# Altium PCB Bran_Main_Assay_PCB_v2_20170828.pcbdoc (part 3 of 5)
Units mm, origin at the board's own origin, x right, y up, seen from the top; angles counter-clockwise.
Board outline 91.65 x 48.25 mm, 6 copper layers (TOP, GND1, Singal, POWER, GND2, BOTTOM), stack 0.8 mm thick; 367 components, 288 nets, 1408 pads, 967 vias.
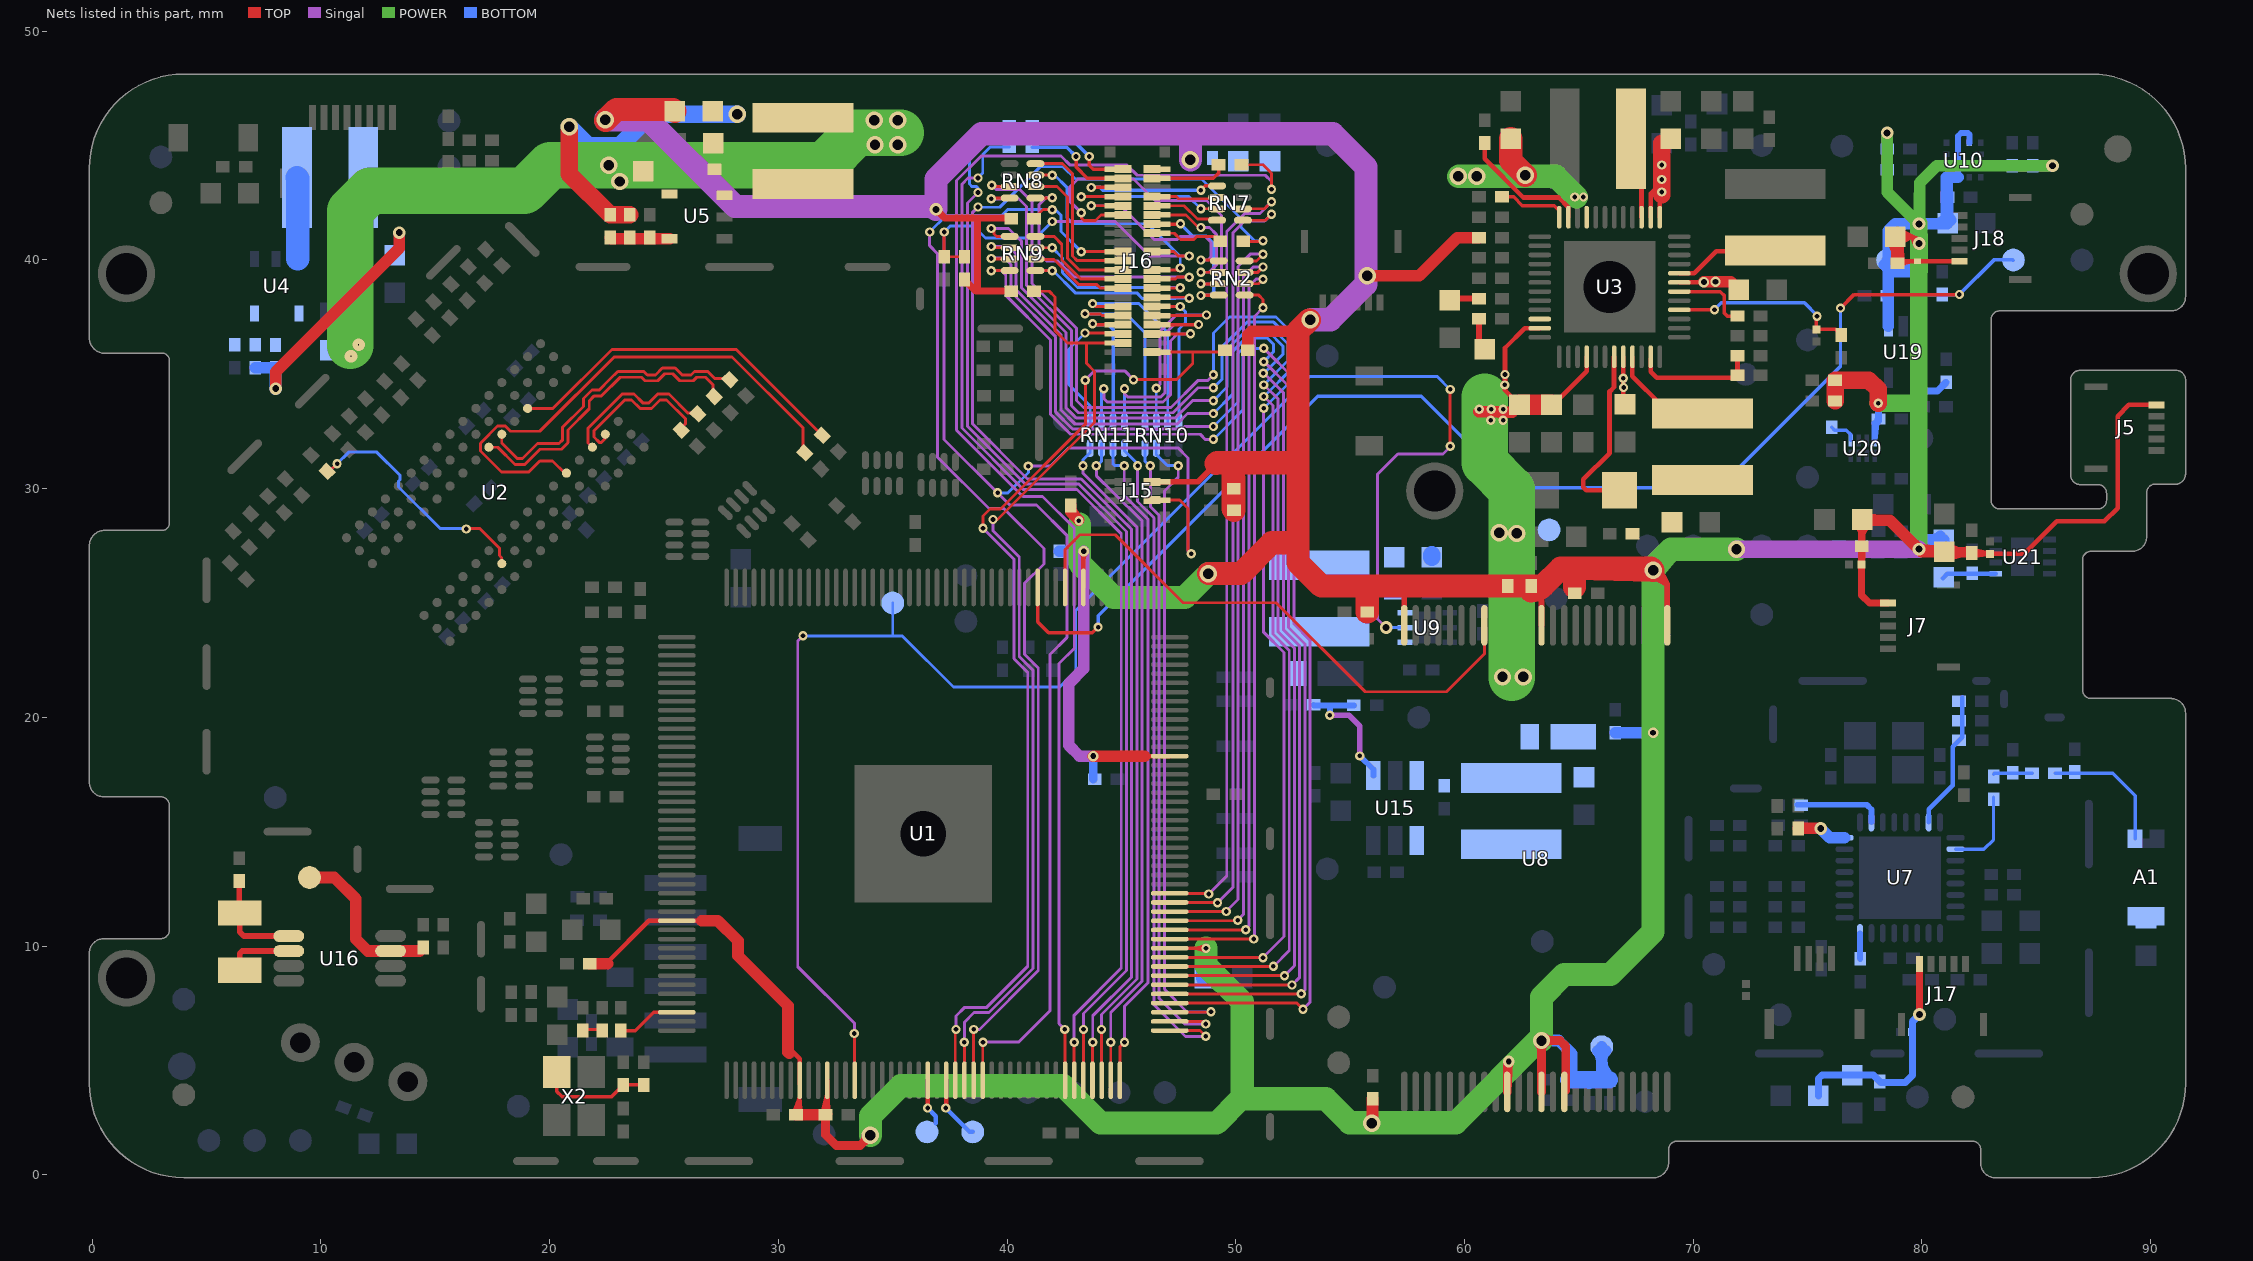
[diagram p7: the nets of this part, all layers, seen from the top]

## Via types
v1: diameter 0.406, hole 0.203, TOP to BOTTOM, tented both sides, 424 vias
v2: diameter 0.457, hole 0.254, TOP to BOTTOM, tented both sides, 256 vias
v3: diameter 0.559, hole 0.305, TOP to BOTTOM, tented both sides, 195 vias
v4: diameter 0.762, hole 0.457, TOP to BOTTOM, tented both sides, 69 vias
v5: diameter 0.61, hole 0.33, TOP to BOTTOM, tented both sides, 11 vias
v6: diameter 0.5, hole 0.2, TOP to BOTTOM, 9 vias
v7: diameter 0.559, hole 0.051, TOP to BOTTOM, tented both sides, 2 vias
v8: diameter 0.508, hole 0.254, TOP to BOTTOM, tented both sides, 1 vias

## Nets (pads, with @x,y where several pads share a name; then routed paths per layer and width w, separated by ;. In a path a pad name is that pad's centre, name@x,y a point inside that pad or via, vN(x,y) a via of type N, cw(c..) or ccw(c..) an arc to the next point about the centre after c; other vN are vias at no path point) (continued)
HPVCC: C10.2 C15.1 C16.2 C17.2 C18.2 C19.2 C121.2 C122.2 C123.2 C152.2 C154.2 C155.2 C156.1 C157.1 C204.2 C207.2 C208.2 C209.2 C235.1 C240.2 C241.1 C252.2 C253.2 D13.1 D15.1 D20.1 J5.1 J7.5 J15.1 J16.1 J18.1 L12.1 R3.1 R4.1 R5.1 R6.1 R7.1 R8.1 R23.2 R32.1 R34.1 R39.1 R55.2 R79.1 R80.1 R81.1 R99.2 R129.1 R130.1 R131.1 R177.2 R199.1 R213.1 TP12.1 TP23.1 U1.5 U1.76 U1.97 U1.100 U1.142 U1.163 U8.1 U8.12 U8.24 U8.34 U8.37 U8.39 U10.2 U10.3 U10.9 U10.10 U19.1 U20.8 | length 603.4
  TOP w0.152: C17.2@30.657,2.67 U1.97@30.935,3.363 ; C17.2@30.66,2.679 30.829,2.912 ; C17.2@30.662,2.684 30.908,3.104 ; C17.2@30.702,2.747 ccw(c30.14,3.31) U1.97@30.935,3.31 ; C17.2@30.81,2.639 ccw(c30.508,2.942) 30.935,2.942 ; C17.2@30.935,2.624 U1.97@30.935,3.958 ; C17.2@30.935,2.851 U1.97@30.935,3.408 ; C17.2@30.991,2.675 30.829,2.912 ; C17.2@30.999,2.623 U1.97@30.917,3.322 ; C17.2@30.999,2.626 30.908,3.104 ; U1.142@47.11,9.908 48.261,9.908 ; U1.142@47.835,9.908 48.261,9.908 ; v1@48.61,9.812 ccw(c48.393,9.595) 48.393,9.902 ccw(c48.393,10.208) v1@48.61,9.991 ; v1@48.658,9.781 48.472,9.912 ; v1@48.658,10.022 48.472,9.891 ; v1@48.67,9.778 48.472,9.891 ; v1@48.67,10.025 48.472,9.912 ; v1@48.681,9.776 48.268,9.902 ; v1@48.681,10.027 48.268,9.902 ; C17.2@30.825,2.624 U1.97@30.935,3.408 ; C17.2@30.825,2.624 30.829,2.912 ; C17.2@30.825,2.624 U1.97@30.917,3.322 ; C17.2@30.825,2.624 U1.97@30.935,3.363 ; C17.2@30.825,2.624 30.908,3.104 ; 30.829,2.912 U1.97@30.935,3.408 ; U1.97@30.917,3.322 30.657,2.668 U1.97@30.935,3.408 ; U1.97@30.935,3.363 30.999,2.619 U1.97@30.935,3.408 ; 48.261,9.908 48.268,9.902 ; 48.268,9.902 v1(48.699,9.902) ; 48.268,9.902 v1(48.699,9.902) ; 48.472,9.891 v1(48.699,9.902) ; 48.472,9.912 v1(48.699,9.902)
  TOP w0.203: 22.528,9.295 24.341,11.108 ; U1.76@24.835,11.108 24.341,11.108 ; U1.76@26.285,11.108 26.657,11.108 U1.76@25.56,11.108 24.341,11.108 ; 30.43,5.572 30.935,5.066 ; U1.97@30.935,3.958 U1.97@30.935,4.133 30.935,5.066 ; U1.97@30.935,4.858 30.935,5.066 ; C19.2@31.915,2.649 U1.100@32.135,3.494 ; C19.2@31.915,2.652 U1.100@32.135,3.408 ; C19.2@31.968,2.665 32.12,2.927 ; C19.2@32.006,2.729 ccw(c31.694,3.041) 32.135,3.041 ; C19.2@32.111,2.624 32.12,2.927 ; 32.135,2.924 ccw(c32.411,2.924) C19.2@32.216,2.729 ; U1.100@32.135,4.133 32.135,2.699 U1.100@32.135,3.408 ; C19.2@32.256,2.656 32.12,2.927 ; v2@43.232,27.235 43.348,27.003 ; v2@43.266,27.172 cw(c43.1,27.006) 43.335,27.006 ; U1.5@43.335,25.683 v2@43.335,27.241 ; U1.5@43.335,26.408 v2@43.335,27.117 ; 43.335,26.905 cw(c43.713,26.905) v2@43.446,27.172 ; v2(43.356,27.262) 43.348,27.003 ; v2@43.478,27.227 43.348,27.003 ; U1.163@46.385,18.308 46.022,18.308 U1.163@47.11,18.308 ; C252.2@78.503,40.933 C253.2@78.9,40.1 ; C252.2@78.507,40.919 78.857,40.372 ; C252.2@78.531,40.86 78.922,40.489 ; C252.2@78.606,40.763 cw(c78.001,40.098) C253.2@78.9,40.098 ; C252.2@78.696,41 C253.2@78.9,40.1 ; C252.2@78.696,41.001 78.857,40.372 ; C252.2@78.701,40.98 78.922,40.489 ; C253.2@78.736,39.844 C252.2@78.762,40.712 ; C253.2@78.736,39.846 78.78,40.548 ; C253.2@78.736,39.864 78.84,40.241 ; C253.2@78.741,39.892 78.886,40.143 ; C252.2@78.743,40.914 cw(c78.419,40.558) 78.9,40.558 ; C253.2@78.755,39.927 ccw(c78.211,40.241) 78.818,40.404 ; C253.2@78.779,39.958 ccw(c78.486,40.25) 78.9,40.25 ; C253.2@78.785,39.853 C252.2@78.86,40.722 ; C253.2@78.786,39.859 C252.2@78.9,40.736 ; C253.2@78.786,39.869 C252.2@78.961,40.752 ; C253.2@78.839,39.886 C252.2@79.117,40.765 ; C252.2@78.85,40.876 79.364,40.982 ; C252.2@78.85,41.166 79.364,41.06 ; C252.2@78.855,40.877 79.577,41.021 ; C252.2@78.855,41.165 79.577,41.021 ; C252.2@78.871,40.879 79.364,41.06 ; C252.2@78.871,41.163 79.364,40.982 ; 78.9,40.172 ccw(c79.203,40.172) C253.2@78.989,39.958 ; 78.9,40.324 cw(c79.537,40.324) C252.2@79.087,40.775 ; C252.2@78.923,40.682 79.577,41.021 ; C252.2@78.923,41.36 79.577,41.021 ; C252.2@78.931,40.685 79.364,40.982 ; C252.2@78.931,41.357 79.364,41.06 ; C252.2@78.98,40.702 79.364,41.06 ; C252.2@78.98,41.34 79.364,40.982 ; C253.2@78.984,39.853 C252.2@79.117,40.765 ; C252.2@78.985,41.009 78.857,40.372 ; C252.2@78.985,41.019 C253.2@78.9,40.1 ; C252.2@78.985,41.023 78.922,40.489 ; C253.2@79.025,39.897 78.84,40.241 ; C253.2@79.028,39.886 C252.2@78.762,40.712 ; C253.2@79.08,39.878 C252.2@78.86,40.722 ; C253.2@79.082,39.86 C252.2@78.961,40.752 ; C253.2@79.081,39.871 C252.2@78.9,40.736 ; C253.2@79.089,39.748 cw(c79.558,39.279) 79.558,39.942 ; C252.2@79.11,40.8 cw(c79.577,40.417) 79.577,41.021 ; C252.2@79.11,41.242 ccw(c79.577,41.625) 79.577,41.021 ; C253.2@79.132,39.843 C252.2@79.117,40.765 ; C252.2@79.178,40.936 78.857,40.372 ; C252.2@79.183,40.959 78.922,40.489 ; C252.2@79.186,40.978 C253.2@78.9,40.1 ; v3@79.704,40.716 ccw(c79.275,40.716) 79.578,41.02 ccw(c79.882,41.323) v3@79.882,40.894 ; v3@79.733,40.619 79.577,41.021 ; D20.1@79.77,39.942 C253.2@79.058,39.942 ; D20.1@79.84,39.942 80.565,39.942 ; v3@79.844,27.381 v3(79.87,27.356) ; v3@79.979,40.865 79.577,41.021 ; 80.688,39.942 J18.1@81.448,39.942 ; C155.2@80.972,27.096 81.512,27.164 ; C155.2@80.976,27.096 C154.2@82.035,27.186 ; C155.2@80.985,27.097 81.682,27.221 ; C155.2@80.991,27.386 C154.2@82.035,27.186 ; C155.2@80.993,27.385 81.682,27.221 ; C155.2@81.013,26.895 C154.2@82.035,27.186 ; C155.2@81.014,27.381 81.512,27.164 ; C155.2@81.037,26.899 81.512,27.164 ; C155.2@81.049,27.582 C154.2@82.035,27.186 ; C155.2@81.05,26.901 81.682,27.221 ; C155.2@81.069,27.577 81.682,27.221 ; C155.2@81.076,27.344 ccw(c81.458,27.726) 81.458,27.186 ; C155.2@81.131,27.552 81.512,27.164 ; C155.2@81.22,26.995 cw(c81.681,26.534) 81.681,27.186 ; C155.2@81.22,27.488 ccw(c81.949,28.217) C154.2@81.949,27.186 ; 81.615,27.275 ccw(c81.766,27.84) C154.2@82.097,27.358 ; J18.1@81.648,39.942 D20.1@79.805,39.942 C253.2@79.058,39.942 ; C154.2@82.076,27.081 ccw(c81.823,26.828) 81.823,27.186 ccw(c81.823,27.544) C154.2@82.076,27.291 ; C154.2@82.133,27.046 81.916,27.198 ; C154.2@82.133,27.326 81.916,27.174 ; C154.2@82.143,27.093 81.812,27.257 ; C154.2@82.146,27.042 81.916,27.174 ; C154.2@82.146,27.33 81.916,27.198 ; C154.2@82.149,27.091 81.434,27.324 ; C154.2@82.154,27.09 C155.2@81.326,27.322 ; C154.2@82.158,27.333 C155.2@81.322,27.126 ; C154.2@82.16,27.383 81.812,27.257 ; C154.2@82.162,27.039 C155.2@81.322,27.223 ; C154.2@82.168,27.038 C155.2@81.322,27.186 ; C154.2@82.168,27.334 C155.2@81.322,27.186 ; C154.2@82.175,27.334 C155.2@81.322,27.223 ; C154.2@82.179,27.038 C155.2@81.322,27.126 ; C154.2@82.181,27.136 82.473,27.139 ; C154.2@82.183,27.384 C155.2@81.326,27.322 ; C154.2@82.184,27.384 81.434,27.324 ; C154.2@82.218,27.28 82.473,27.139 ; C154.2@82.22,26.993 82.473,27.139 ; C154.2@82.286,27.031 cw(c82.58,26.737) 82.58,27.153 ; C154.2@82.286,27.241 ccw(c82.499,27.453) 82.499,27.153 ; D13.1@82.93,27.101 ccw(c82.805,26.976) 82.805,27.153 ccw(c82.805,27.33) D13.1@82.93,27.205 ; D13.1@83.034,27.101 cw(c83.159,26.976) 83.159,27.153 cw(c83.159,27.33) D13.1@83.034,27.205 ; 89.303,33.664 J5.1@90.063,33.664 ; J5.1@90.263,33.664 89.049,33.664 88.557,33.172 88.557,29.15 87.982,28.575 85.901,28.575 84.479,27.153 D13.1@82.982,27.153 ; U1.100@32.135,3.408 C19.2@32.061,2.624 U1.100@32.135,3.494 ; U1.100@32.135,3.408 32.209,2.624 U1.100@32.135,3.494 ; C252.2@78.762,40.712 C253.2@78.884,39.853 ; 78.78,40.548 C253.2@78.884,39.853 ; 78.78,40.548 79.027,39.89 78.886,40.143 ; 78.84,40.241 C253.2@78.884,39.853 ; C252.2@78.84,41.021 C253.2@78.9,40.1 ; C252.2@78.84,41.021 78.922,40.489 ; C252.2@78.84,41.021 78.857,40.372 ; C252.2@78.84,41.021 79.364,41.06 ; C252.2@78.84,41.021 79.364,40.982 ; C252.2@78.84,41.021 79.577,41.021 ; C252.2@78.84,41.021 C252.2@78.9,41.021 ; C252.2@78.86,40.722 C253.2@78.934,39.853 ; C253.2@78.884,39.853 78.886,40.143 ; C253.2@78.9,40.1 C253.2@79.058,39.942 ; C253.2@78.9,40.1 C252.2@78.9,41.021 ; C252.2@78.9,40.736 C253.2@78.934,39.853 ; C252.2@78.9,41.021 79.577,41.021 ; C253.2@78.934,39.853 C252.2@78.961,40.752 ; 79.577,41.021 v3(79.882,40.716) 79.577,41.021 ; C155.2@80.974,27.241 81.682,27.221 ; C155.2@80.974,27.241 81.512,27.164 ; C155.2@80.974,27.241 C154.2@82.035,27.186 ; C155.2@80.974,27.241 81.029,27.186 C154.2@82.181,27.186 ; C155.2@81.322,27.186 C154.2@82.181,27.186 ; C155.2@81.322,27.223 C154.2@82.181,27.186 ; C155.2@81.322,27.126 C154.2@82.181,27.186 ; C155.2@81.326,27.322 C154.2@82.181,27.236 ; 81.434,27.324 C154.2@82.181,27.236 ; 81.812,27.257 C154.2@82.181,27.236 ; 81.916,27.174 C154.2@82.181,27.186 ; 81.916,27.198 C154.2@82.181,27.186 ; C154.2@82.181,27.186 D13.1@82.982,27.153 ; C154.2@82.181,27.186 D13.1@82.982,27.153 ; C154.2@82.181,27.186 C154.2@82.214,27.153 ; C154.2@82.214,27.153 D13.1@82.982,27.153 ; C154.2@82.214,27.153 D13.1@82.982,27.153 ; D13.1@82.982,27.153 82.189,27.038 D13.1@82.982,27.153 ; D13.1@82.982,27.153 82.201,27.333 D13.1@82.982,27.153 ; J16.1@46.335,43.97 46.82,43.97 46.525,43.97 J16.1@46.925,43.97 J16.1@46.335,43.97
  TOP w0.254: J15.1@46.335,30.3 J15.1@46.925,30.3 48.352,30.3 49.149,31.097 ; J15.1@47.03,30.3 47.912,30.3 ; U8.24@57.367,24.024 57.367,25.4 U8.24@57.367,24.776 ; C204.2@62.914,25.573 cw(c62.914,25.155) 63.209,25.451 ; C204.2@62.914,25.696 63.367,25.293 ; C204.2@62.981,25.679 63.367,25.293 ; U8.12@63.367,24.024 63.367,25.293 ; U8.12@63.367,24.776 63.367,25.293 ; v4@68.096,26.233 68.867,25.818 ; v4@68.248,26.183 cw(c68.248,25.57) 68.682,26.003 cw(c69.115,26.437) v4@68.502,26.437 ; v4(68.248,26.437) 68.867,25.818 ; v4@68.452,26.589 68.867,25.818 ; U8.1@68.867,24.024 68.867,25.818 ; U8.1@68.867,24.776 68.867,25.675
  TOP w0.305: v3@36.893,42.088 cw(c36.893,41.781) 37.11,41.998 cw(c37.327,42.215) v3@37.02,42.215 ; v3(36.893,42.215) 37.274,41.834 38.701,41.834 ; R55.2@38.138,38.995 cw(c38.138,38.639) 38.39,38.891 ; R55.2@38.138,39.143 38.647,38.633 R79.1@40.178,38.633 ; 38.701,38.687 38.701,41.834 ; 38.963,38.633 R79.1@40.128,38.633 ; 39.831,41.834 cw(c39.831,41.511) R81.1@40.059,41.739 ; R81.1@40.178,41.808 40.152,41.834 38.701,41.834 ; C157.1@77.102,28.589 77.347,28.156 ; C157.1@77.106,28.572 77.396,28.081 ; C157.1@77.183,28.441 cw(c76.734,27.992) 77.369,27.992 ; 77.369,25.605 D15.1@77.353,26.695 ; 77.369,26.318 C156.1@77.373,27.483 ; 77.369,27.874 cw(c78.171,27.874) C157.1@77.604,28.441 ; C157.1@77.668,28.536 77.347,28.156 ; C157.1@77.681,28.575 77.396,28.081 ; J7.5@78.32,25 77.704,25 ; J7.5@78.52,25 77.704,25 ; 77.347,28.156 C157.1@77.393,28.651 77.396,28.081 ; D15.1@77.353,26.695 C156.1@77.373,27.483 ; D15.1@77.353,26.695 77.369,27.785 C156.1@77.373,27.483 ; C156.1@77.373,27.483 77.369,28.627 77.369,25.336 77.704,25
  TOP w0.381: v4@33.837,1.727 cw(c33.377,1.727) 33.702,1.402 cw(c34.027,1.077) v4@34.027,1.536 ; 61.867,4.63 cw(c62.261,4.63) v8@61.982,4.908 ; v4@63.232,5.736 cw(c62.907,5.411) 63.367,5.411 cw(c63.827,5.411) 63.502,5.736 cw(c63.827,5.411) 63.827,5.871 cw(c63.827,6.331) v4@63.502,6.006 ; U8.37@63.367,3.624 v4(63.367,5.871) ; U8.37@63.367,4.347 v4(63.367,5.871) ; v4@63.367,5.656 63.367,4.376 v4(63.367,5.871) ; U8.39@64.425,3.682 64.425,5.619 64.173,5.871 v4(63.367,5.871) ; 32.061,1.756 C19.2@32.061,2.624 32.061,1.756 ; 32.061,1.756 32.536,1.281 33.581,1.281 ; 33.581,1.281 v4(34.027,1.727) 33.581,1.281 ; v8@61.867,4.883 61.867,4.376 v8(61.937,4.953) ; v8@61.867,4.883 v8(61.937,4.953) ; v8@61.867,4.883 U8.34@61.867,3.624 v8(61.937,4.953)
  TOP w0.508: C10.2@21.758,9.228 22.528,9.228 C10.2@21.808,9.228 ; 26.657,11.108 27.356,11.108 28.236,10.228 28.236,9.571 30.42,7.387 30.42,5.664 ; 30.43,5.572 30.43,5.655 30.42,5.664 ; 30.472,5.313 30.42,5.366 30.42,5.664 ; C17.2@30.775,2.624 C17.2@30.935,2.624 ; R177.2@42.782,29.219 ccw(c43.33,29.219) 42.942,28.831 ; R177.2@42.786,29.269 42.786,28.988 v1@43.142,28.632 ; v2(43.772,18.309) 46.022,18.309 ; R80.1@50.525,36.061 50.525,36.721 50.686,36.881 52.718,36.881 ; v4(55.74,39.319) 57.645,39.313 ; v4@55.848,39.313 58.026,39.313 59.692,40.978 ; v4(55.954,2.256) v4@55.98,2.282 ; R99.2@55.98,3.281 v4@55.98,2.282 ; R99.2@55.98,3.331 v4@55.98,2.282 ; R23.2@60.586,40.978 59.692,40.978 ; R23.2@60.636,40.978 59.692,40.978 ; C204.2@62.799,25.496 C204.2@62.981,25.679 ; C157.1@77.393,28.651 78.6,28.626 ; C157.1@77.443,28.626 78.6,28.626 ; C157.1@77.532,28.79 ccw(c77.928,29.186) 77.928,28.626 ; v3@79.844,27.381 78.6,28.626 ; v3@79.888,27.374 ccw(c80.207,27.693) 80.207,27.241 ; C155.2@80.835,27.103 ccw(c80.501,26.768) 80.501,27.241 ccw(c80.501,27.715) C155.2@80.835,27.38 ; C17.2@30.935,2.624 32.011,2.624 30.825,2.624 C19.2@32.061,2.624 C17.2@30.935,2.624 ; 78.6,28.626 v3(79.87,27.356) ; v3(79.87,27.356) C155.2@80.974,27.241 ; v3(79.87,27.356) C155.2@80.974,27.241 ; v3(79.87,27.356) v3@79.984,27.241 ; v3@79.984,27.241 C155.2@80.974,27.241 ; v3@79.984,27.241 C155.2@80.974,27.241
  TOP w0.762: R8.1@76.254,34.747 77.685,34.747 ; v1(78.092,33.731) 78.092,34.341 77.685,34.747 ; R8.1@76.204,34.747 R7.1@76.204,33.833 R8.1@76.204,34.747 ; R8.1@76.204,34.747 77.685,34.747
  TOP w1.016: v4@22.44,46.101 22.922,46.583 25.394,46.583 L12.1@25.476,46.501 ; v4(48.806,26.289) 50.228,26.289 51.574,27.635 52.718,27.635 ; 49.149,31.097 49.185,31.134 49.898,31.134 ; v4@53.212,37.376 52.718,36.881 52.718,31.134 ; R39.1@55.753,24.608 55.753,25.746 ; 58.6,25.746 C207.2@61.898,25.746 ; C204.2@62.906,25.538 ccw(c62.927,26.249) 63.43,25.746 ; C204.2@62.914,25.538 ccw(c62.914,26.282) 63.44,25.756 ; 63.264,25.623 62.914,25.696 63.286,25.638 ; 64.808,26.525 v4(68.248,26.437) 68.16,26.525 64.209,26.525 63.43,25.746 ; 64.816,25.698 64.816,26.1 ; 49.89,31.126 49.89,29.127 R6.1@49.916,29.991 ; 49.89,31.126 R5.1@49.919,29.057 R6.1@49.916,29.991 ; 49.89,31.126 R6.1@49.916,29.991 ; 49.89,31.126 49.898,31.134 ; 49.898,31.134 52.718,31.134 ; 52.718,27.635 52.718,31.134 ; 52.718,27.635 52.718,26.772 53.743,25.746 55.753,25.746 ; 55.753,25.746 C207.2@61.898,25.746 ; C207.2@61.898,25.746 C204.2@62.914,25.746 ; C207.2@61.898,25.746 C204.2@62.914,25.746 ; C204.2@62.914,25.746 63.43,25.746 ; C204.2@62.914,25.746 63.43,25.746
  Singal w0.508: 43.356,25.509 v2(43.356,27.262) 43.356,22.135 42.696,21.474 42.696,18.781 43.167,18.309 ; 43.167,18.309 v2(43.772,18.309) 43.167,18.309
  Singal w0.762: v4(71.894,27.356) v3(79.87,27.356) 77.304,27.356
  Singal w1.016: v4@22.44,46.126 24.32,46.126 28.105,42.342 v3@36.766,42.342 ; v3(36.893,42.215) 36.893,43.529 38.881,45.517 48.022,45.517 ; v4@48.022,44.378 48.022,45.517 ; v4@53.302,37.389 54.14,37.389 55.689,38.938 55.689,44.069 54.241,45.517 48.022,45.517
  POWER w0.508: 78.481,43.756 v3(78.481,45.559) 78.481,42.968 v3(79.87,41.58) ; 78.513,42.937 v3(79.87,41.58) ; 83.908,44.12 v3(85.712,44.12) 80.644,44.12 79.907,43.383 ; v3(79.87,41.58) 79.907,43.383 ; v3(79.87,41.58) 79.907,41.617 79.907,43.383
  POWER w0.762: v1(78.092,33.731) 79.819,33.731 79.87,33.68 ; v3(79.87,27.356) 79.87,33.68 ; 79.87,38.151 v3(79.882,40.716) v3(79.87,41.58) ; 79.87,39.014 v3(79.87,41.58) ; v3@79.87,41.605 v3(79.87,41.58) ; 79.87,33.68 v3(79.87,41.58)
  POWER w1.016: v1@43.167,28.441 43.167,26.746 44.666,25.247 47.764,25.247 ; 68.248,16.049 v2(68.248,19.325) ; 68.248,23.008 v4(68.248,26.437) ; 34.027,2.565 v4(34.027,1.727) 34.027,2.565 ; 34.027,2.565 35.356,3.894 42.454,3.894 44.088,2.261 49.16,2.261 50.227,3.327 ; 47.764,25.247 v4(48.806,26.289) 47.764,25.247 ; 48.699,9.149 v1(48.699,9.902) 48.699,9.149 ; 48.699,9.149 50.279,7.569 50.279,3.38 50.227,3.327 ; 50.227,3.327 53.93,3.327 54.978,2.279 59.619,2.279 v4@63.367,6.027 ; v4@63.367,6.027 63.367,7.772 ; v4@63.367,6.027 v4(63.367,5.871) 63.367,7.772 ; 63.367,7.772 64.358,8.763 66.387,8.763 68.248,10.624 v2(68.248,19.325) ; v2(68.248,19.325) v4(68.248,26.437) ; v4(68.248,26.437) 69.024,27.356 ; v4(68.248,26.437) 68.248,26.58 69.024,27.356 ; 69.024,27.356 v4(71.894,27.356) 69.024,27.356
  BOTTOM w0.254: 77.931,32.462 cw(c78.634,32.462) C241.1@78.137,32.958 ; 77.955,32.643 C241.1@78.05,33.045 ; C241.1@78.1,33.045 C241.1@77.931,32.877 ; U10.9@81.576,43.619 U10.2@81.576,45.119 81.576,45.415 ; U10.9@81.576,43.632 81.576,44.519 ; 81.576,44.22 U10.2@81.576,45.107 ; U10.2@81.576,45.132 81.576,45.415 ; U10.3@82.076,45.119 82.076,45.491 ; U10.3@82.076,45.132 82.076,45.491 ; C241.1@77.931,32.877 77.931,32.275 C241.1@78.05,33.045 ; C241.1@77.931,32.877 U20.8@77.931,32.11 C241.1@78.05,33.045 ; 81.576,45.415 81.712,45.551 82.017,45.551 82.076,45.491
  BOTTOM w0.305: v1(78.092,33.731) C241.1@78.1,33.045 78.1,33.723 v1(78.092,33.731)
  BOTTOM w0.381: C18.2@43.771,17.293 C18.2@43.772,17.294 ; C18.2@43.772,17.294 v2(43.772,18.309) C18.2@43.772,17.294
  BOTTOM w0.508: v4(63.367,5.871) 64.112,5.871 64.692,5.291 ; R32.1@64.557,4.148 64.692,4.283 64.692,5.291 ; R32.1@64.607,4.148 64.692,5.291 ; TP23.1@65.826,5.426 cw(c65.406,5.006) 66,5.006 cw(c66.594,5.006) TP23.1@66.174,5.426 ; 66,5.008 ccw(c67.161,5.008) C209.2@66.34,4.187 ; 66.04,4.708 C209.2@66.343,4.19 ; TP12.1@78.49,39.99 TP12.1@78.5,40 ; TP12.1@78.5,39.754 cw(c78.5,39.16) 78.92,39.58 cw(c79.34,40) TP12.1@78.746,40 ; U19.1@78.534,37.107 C235.1@78.534,38.386 ; U19.1@78.534,37.357 C235.1@78.534,38.386 ; R199.1@79.971,39.539 TP12.1@78.5,40 ; 80.604,41.58 ccw(c80.604,42.125) C152.2@80.989,41.739 ; R213.1@80.81,27.636 ccw(c80.475,27.302) 80.475,27.775 ccw(c80.475,28.248) R213.1@80.81,27.913 ; 81.076,42.198 ccw(c81.725,42.198) C152.2@81.266,41.739 ; U10.10@81.076,43.577 C152.2@81.128,41.601 ; U10.10@81.076,43.583 C152.2@81.128,41.601 ; v3(85.712,44.12) R4.1@84.849,44.123 ; v3@85.712,44.123 R4.1@84.849,44.123 ; 66,4.197 C209.2@66.343,4.19 ; 66,4.197 C209.2@66.343,4.19 ; 66,4.197 TP23.1@66,5.6 66,4.197 ; R130.1@78.481,44.852 v3(78.481,45.559) R130.1@78.481,44.852 ; R130.1@78.481,44.852 R129.1@78.481,43.942 R130.1@78.481,44.852 ; TP12.1@78.5,40 79.011,39.489 ; TP12.1@78.5,40 78.534,39.472 ; TP12.1@78.5,40 78.551,39.489 ; TP12.1@78.5,40 79.011,39.489 ; TP12.1@78.5,40 78.534,39.472 ; TP12.1@78.5,40 78.534,39.472 ; TP12.1@78.5,40 78.551,39.489 ; TP12.1@78.5,40 79.011,39.489 ; TP12.1@78.5,40 R199.1@79.971,39.489 ; TP12.1@78.5,40 TP12.1@78.534,39.966 ; TP12.1@78.5,40 TP12.1@78.534,40 ; C235.1@78.534,38.386 C235.1@78.534,38.474 ; C235.1@78.534,38.386 C235.1@78.49,38.43 C235.1@78.534,38.474 ; C235.1@78.534,38.474 78.534,39.472 ; 78.534,39.472 TP12.1@78.534,39.966 ; 78.534,39.472 78.551,39.489 ; TP12.1@78.534,39.966 TP12.1@78.534,40 ; TP12.1@78.534,39.966 79.011,39.489 ; TP12.1@78.534,40 78.534,41.285 78.828,41.58 ; 78.551,39.489 79.011,39.489 ; 78.828,41.58 v3(79.87,41.58) ; 78.828,41.58 v3(79.87,41.58) ; 79.011,39.489 R199.1@79.971,39.489 ; 79.011,39.489 R199.1@79.971,39.489 ; v3(79.87,41.58) C152.2@81.128,41.601 ; v3(79.87,41.58) 81.107,41.58 C152.2@81.128,41.601 ; 80.289,27.775 R213.1@80.948,27.775 ; 80.289,27.775 R213.1@80.948,27.775 ; 80.289,27.775 v3(79.87,27.356) R213.1@80.948,27.775 ; 80.289,27.775 R213.1@80.948,27.775 ; C152.2@81.076,41.652 U10.10@81.076,43.619 ; C152.2@81.076,41.652 C240.2@81.123,42.744 ; C152.2@81.076,41.652 C152.2@81.128,41.601 ; U10.10@81.076,43.619 C240.2@81.123,42.744 ; U10.10@81.076,43.619 U10.9@81.576,43.619 U10.10@81.076,43.619 ; C240.2@81.123,42.744 C152.2@81.128,41.601 ; C240.2@81.123,42.744 C152.2@81.128,41.601 ; C240.2@81.123,42.744 81.076,41.958 81.076,43.607 C240.2@81.123,42.744 ; R4.1@84.849,44.123 R3.1@83.96,44.123 R4.1@84.849,44.123 ; C16.2@42.278,27.265 v2(43.356,27.262) 43.353,27.265 C16.2@42.278,27.265 ; R131.1@66.597,19.333 v2(68.248,19.325) 68.24,19.333 R131.1@66.597,19.333 ; TP12.1@78.362,39.797 cw(c78.139,39.471) 78.534,39.471 ccw(c78.139,39.471) TP12.1@78.362,39.797 ; 78.534,39.488 cw(c79.012,39.488) 78.674,39.826 ccw(c79.012,39.488) 78.534,39.488
  BOTTOM w0.762: C15.1@48.636,8.606 v1@48.636,9.838 ; C208.2@65.454,4.14 64.607,4.148 C209.2@66.335,4.148 ; C208.2@65.454,4.14 C209.2@66.335,4.148 ; C208.2@65.454,4.14 R32.1@64.557,4.148 C209.2@66.335,4.148 ; C208.2@65.454,4.14 C209.2@66.335,4.148
  other v1: 43.142,28.594
  other v4: 53.251,37.389 48.018,44.374 22.426,46.134
IPSOUT: C39.1 C40.2 C47.1 C50.1 C57.1 C64.1 C67.1 C68.1 D18.2 L19.2 TP13.1 U3.7 U3.13 U3.14 U3.21 U3.34 U3.35 U3.40 U3.44 U4.4 U5.4 | length 72.3
  TOP w0.203: C40.2@62.406,33.676 61.771,34.311 v1(61.771,34.995) 61.771,36.152 62.632,37.013 62.632,37.019 U3.35@63.293,37.019 ; C68.1@63.803,33.676 63.876,33.676 65.343,35.142 U3.40@65.343,35.769 ; U3.44@66.943,35.769 v1(66.943,34.831) 66.943,33.838 C39.1@67.105,33.676 ; U3.14@68.143,41.869 68.143,42.905 68.334,43.096 68.543,43.096 U3.13@68.543,41.869 ; U3.7@69.393,39.019 70.451,39.019 v2(70.467,39.035) v2@70.483,39.051
  TOP w0.508: v1@60.628,33.358 61.509,33.358 ; 61.517,33.35 62.08,33.35 C40.2@62.406,33.676 ; v2@70.467,39.051 70.483,39.051 v2(70.975,39.051) 71.636,39.051 C47.1@71.994,38.692
  TOP w0.762: v1@68.629,42.842 v1(68.629,42.969) v1(68.629,43.518) v1(68.629,44.153) C57.1@68.629,45.106